# Altium PCB de10nano.PcbDoc (part 1 of 2)
Units mm, origin at the board's own origin, x right, y up, seen from the top; angles counter-clockwise.
Board outline 153.25 x 71.92 mm, 2 copper layers (Top Layer, Bottom Layer); 203 components, 228 nets, 661 pads, 124 vias.
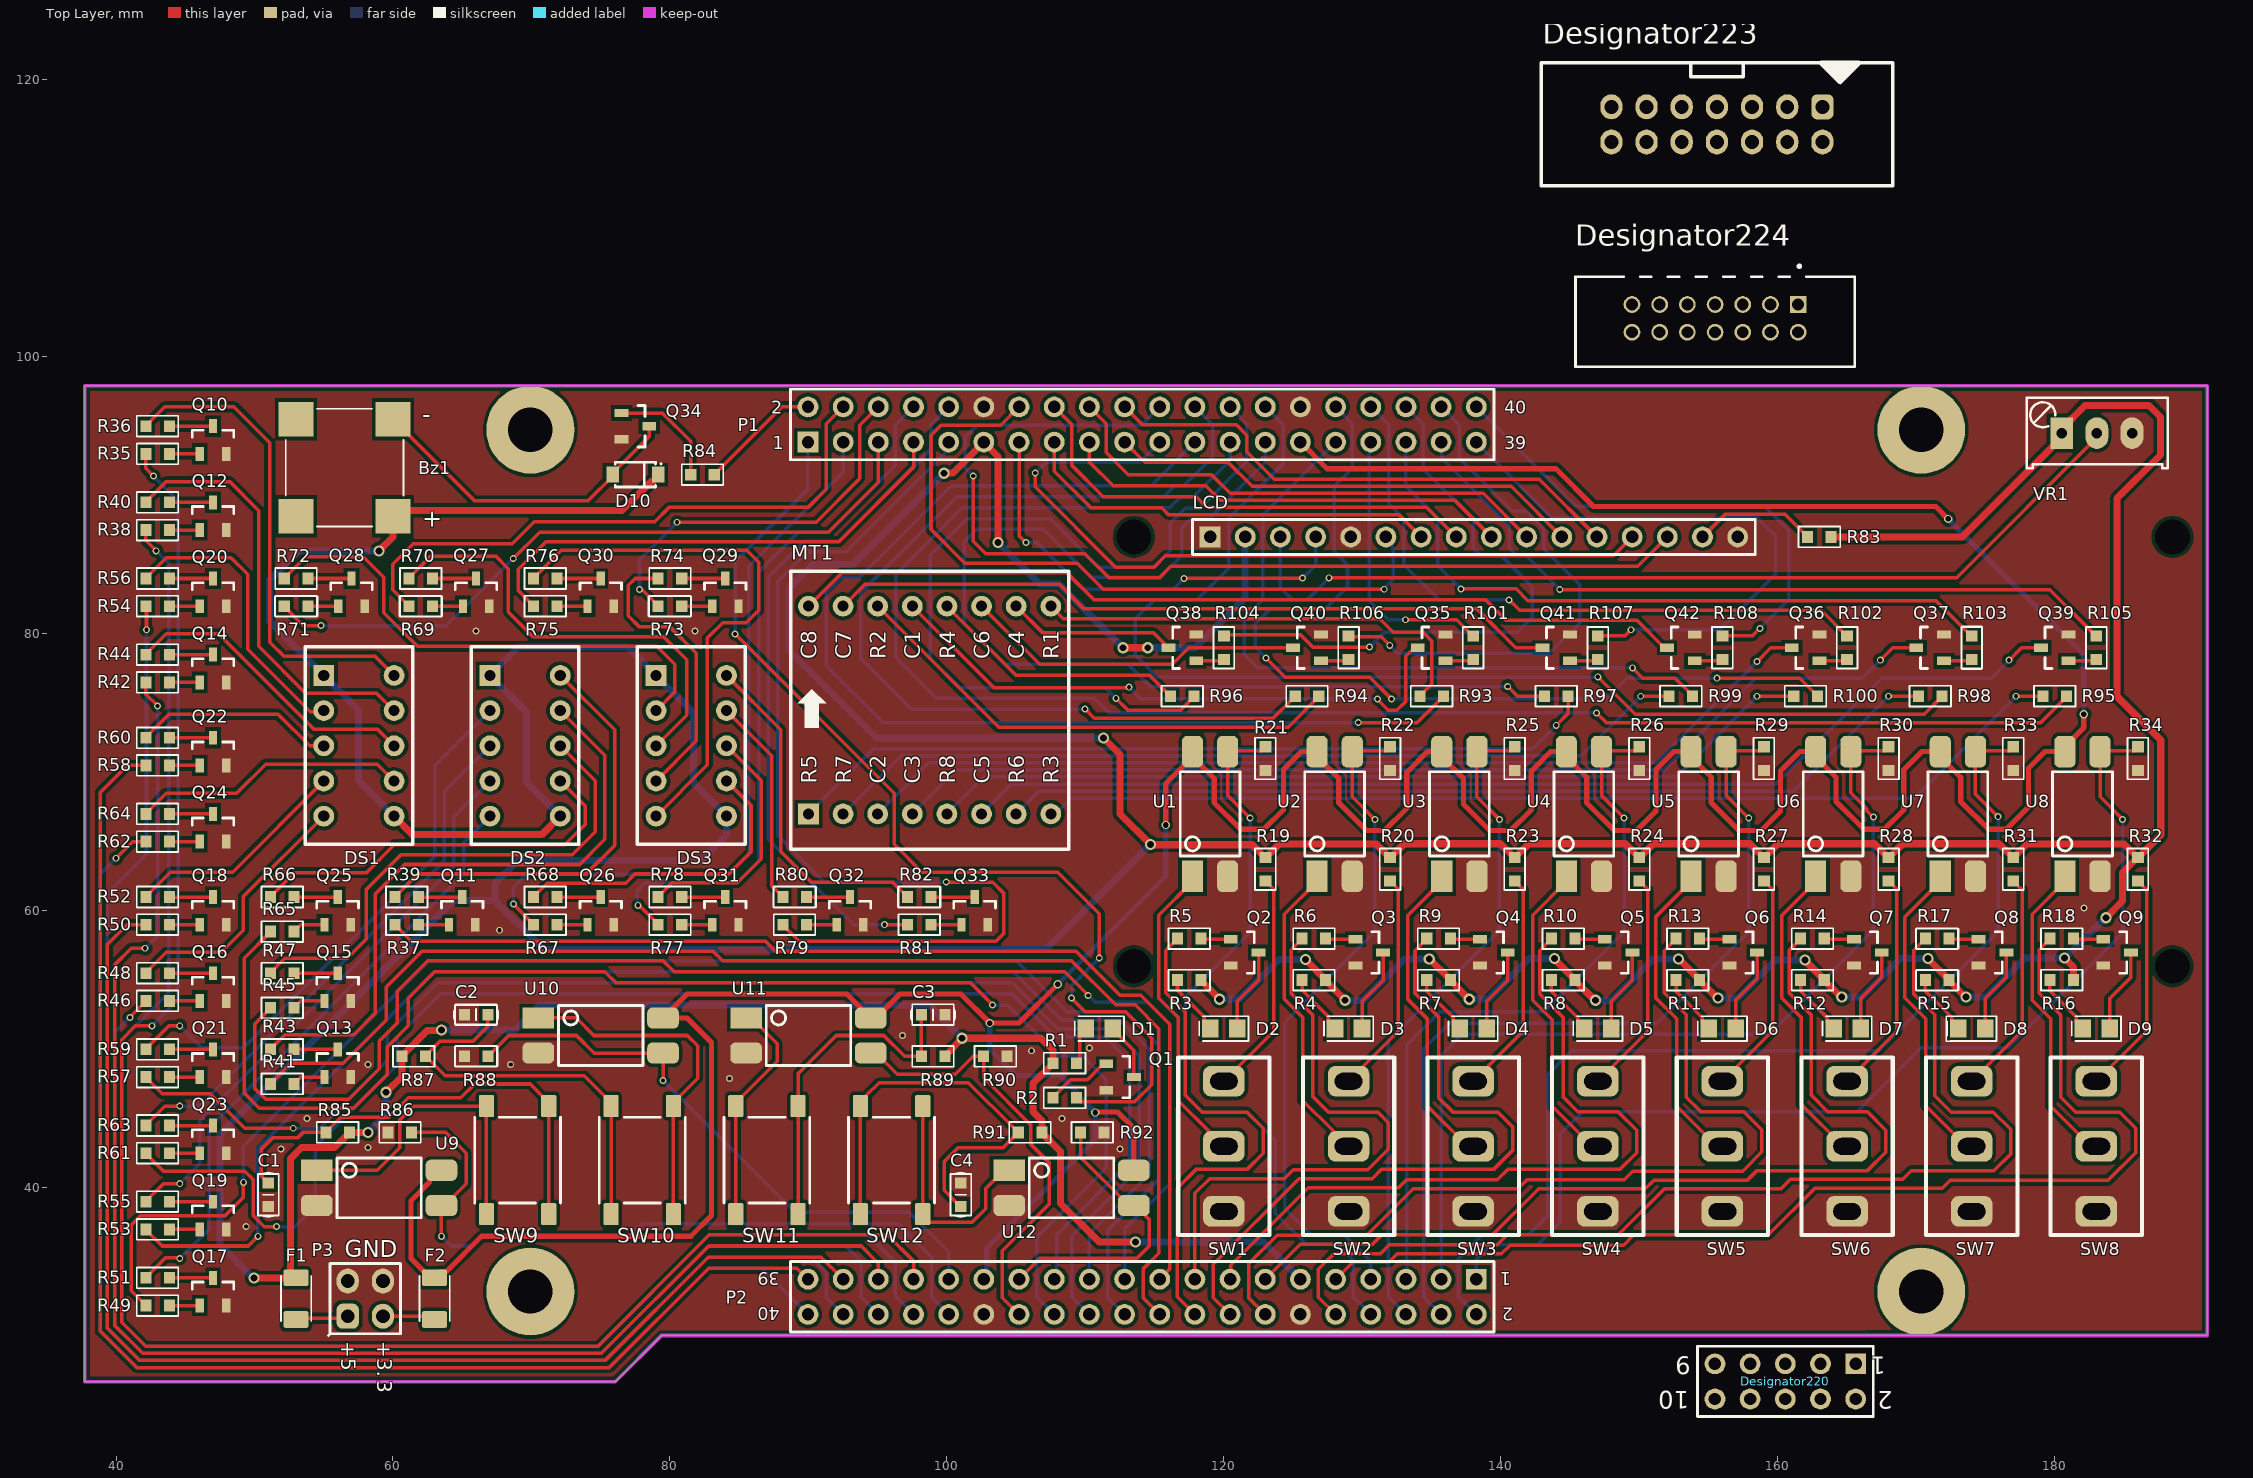
[diagram p0: Top Layer view]
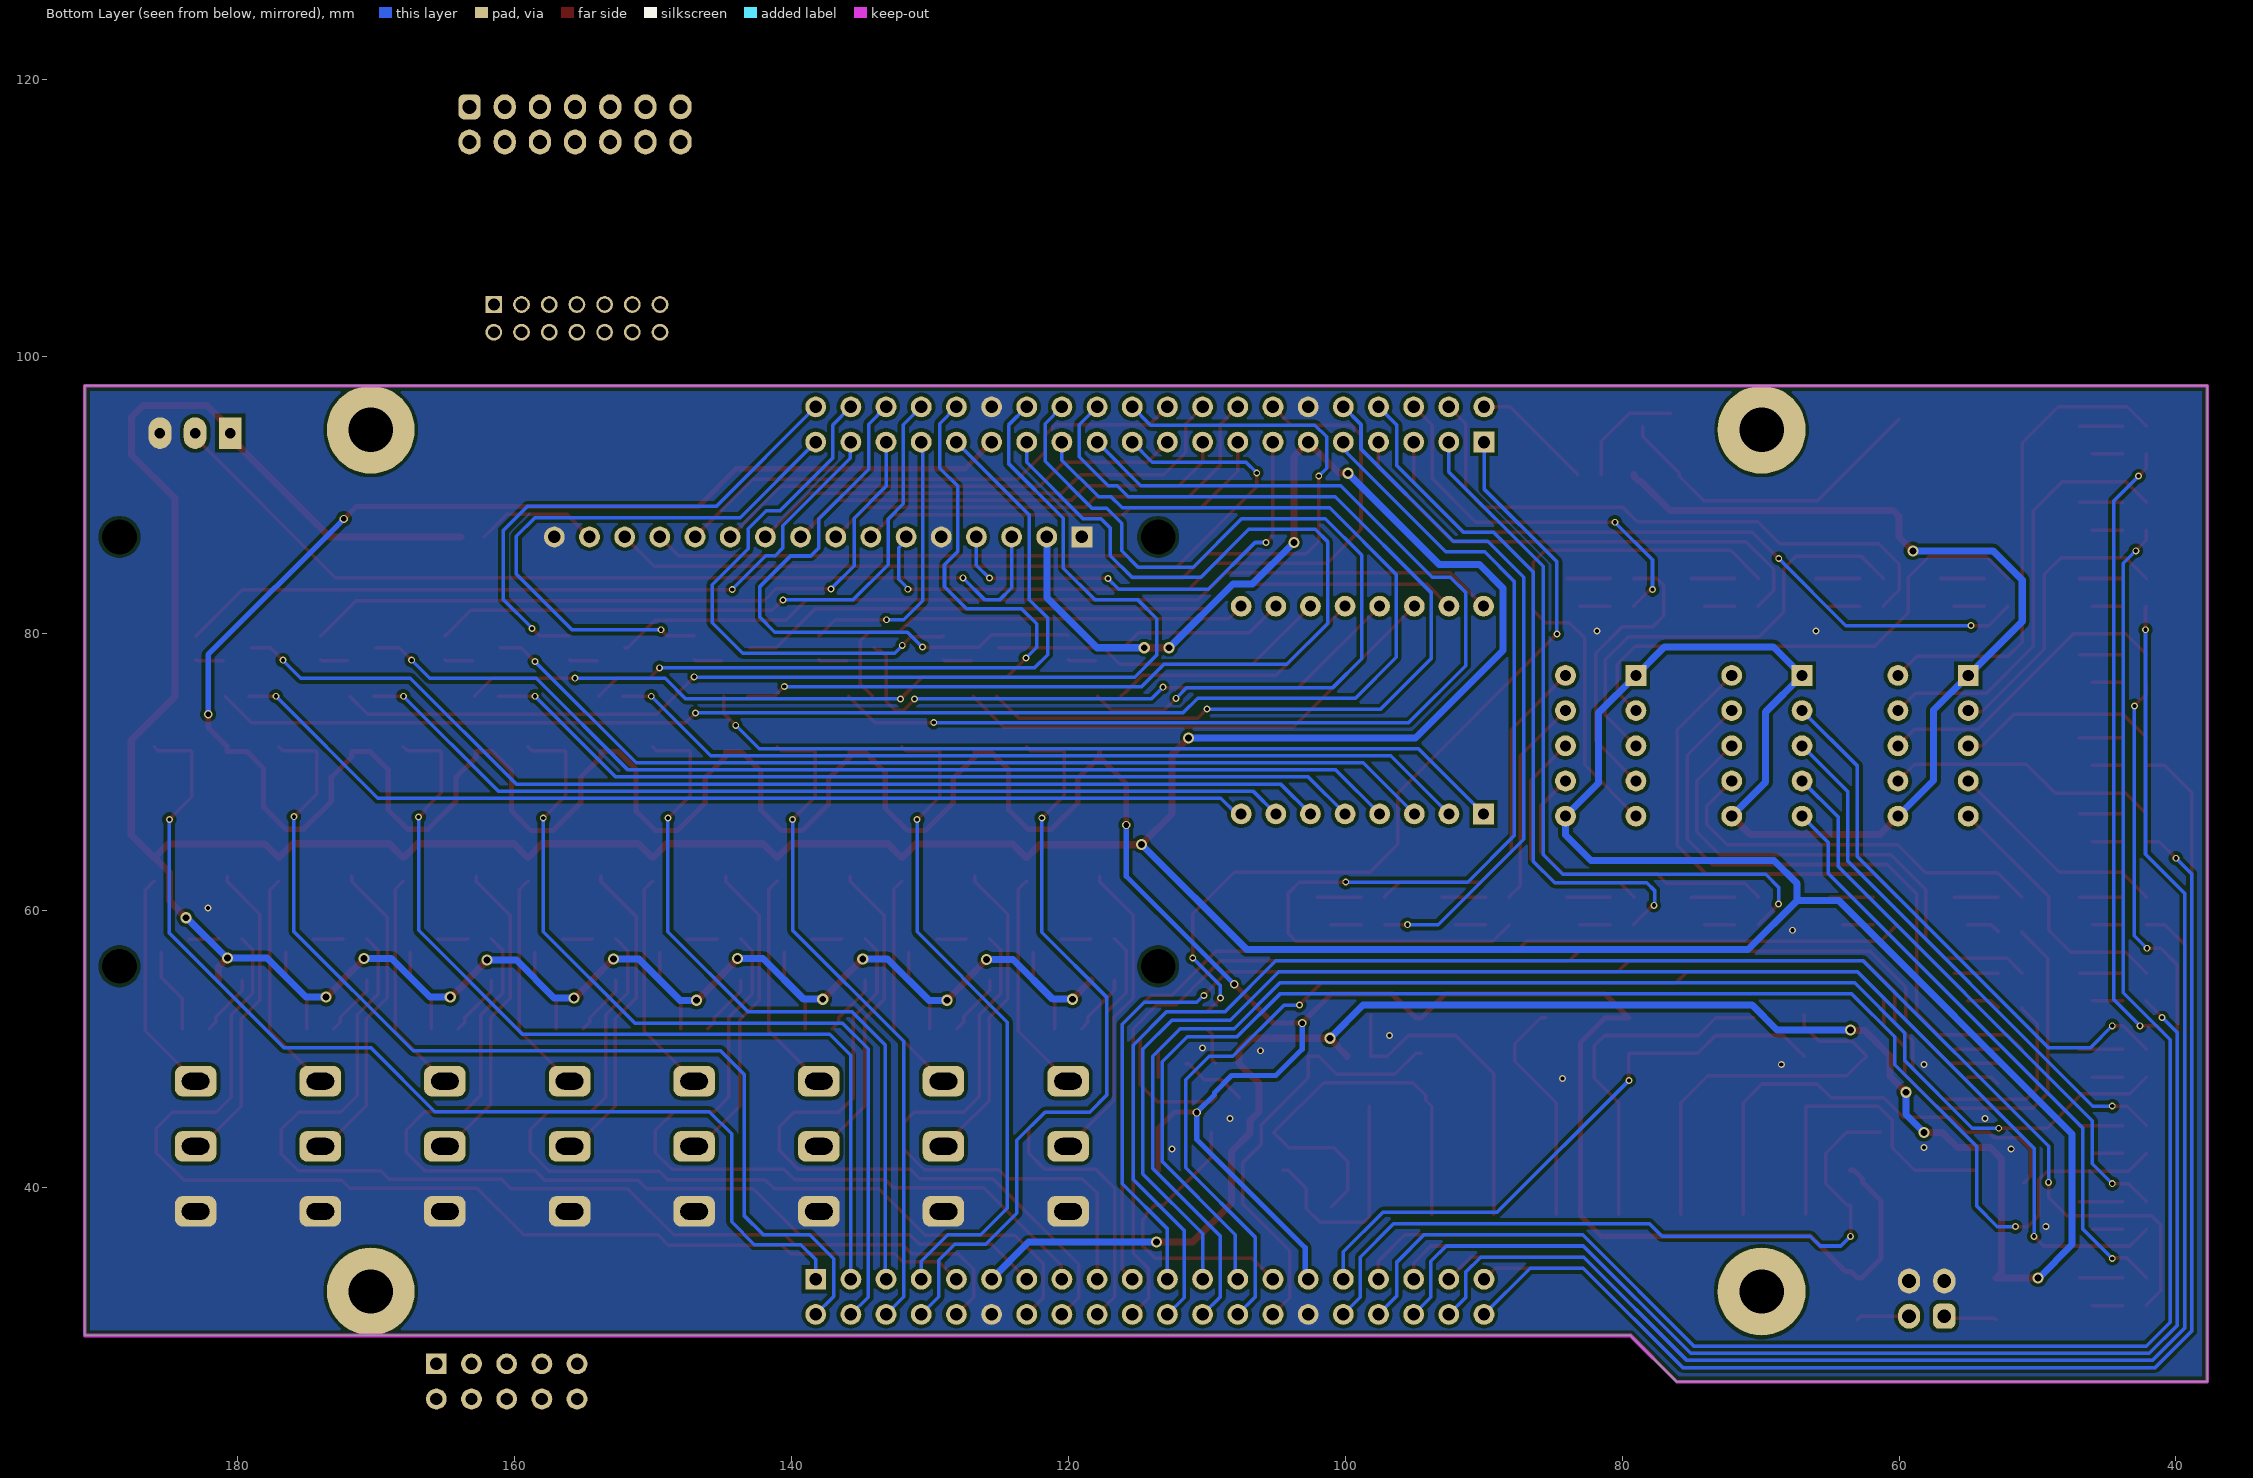
[diagram p1: Bottom Layer view, seen from below]

## Layer stack, top to bottom
Top Solder: solder mask 0.0102, Solder Resist, Dk 3.5
Top Layer: signal copper 0.0356
Dielectric 1: dielectric 0.32, FR-4, Dk 4.8
Bottom Layer: signal copper 0.0356
Bottom Solder: solder mask 0.0102, Solder Resist, Dk 3.5

## Board outline
37.75,26 37.75,97.917 191,97.917 191,29.337 79.387,29.337 76.05,26

## Design rules (kind name [scope] priority, off if disabled: settings)
Clearance [All] p1: gap=0.254 ignorepadtopadclearanceinfootprint=FALSE except(0: Arc-Hole Track-Hole SMDPad-Hole THPad-Hole Via-Hole Fill-Hole Poly-Hole Region-Hole Text-Hole; 0.15: SMDPad-Text THPad-Text; 0.33: Arc-THPad Track-THPad; 0.5: THPad-THPad)
DiffPairsRouting [All] p1: maxlimit=0.254 minlimit=0.254 mostfreqgap=0.254 toplayer_minwidth=0.127 toplayer_maxwidth=0.381 toplayer_prefwidth=0.381 bottomlayer_minwidth=0.127 bottomlayer_maxwidth=0.381 bottomlayer_prefwidth=0.381 maxuncoupledlength=12.7
HoleSize [All] p1: absolutevalues=TRUE maxlimit=6.3 minlimit=0.3 maxpercent=80.000 minpercent=20.000
HoleToHoleClearance [All] p1: gap=0.5 allowstackedmicrovias=TRUE
PasteMaskExpansion [All] p1: expansion=0.05
PlaneConnect [All] p1: planeconnectstyle=Direct reliefexpansion=0.508 reliefentries=4 reliefconductorwidth=0.254 reliefairgap=0.254
PolygonConnect [All] p1: connectstyle=Direct reliefconductorwidth=0.254 reliefentries=4 polygonreliefangle="90 Angle" airgapwidth=0.254
RoutingVias [All] p1: holewidth=0.711 width=1.27 viastyle="Through Hole" minholewidth=0.3 minwidth=0.5 maxholewidth=0.711 maxwidth=1.27
SilkToSolderMaskClearance [IsText] p1: minsilkscreentomaskgap=0.254 clearancetoexposedcopper=TRUE
SolderMaskExpansion [All] p1: expansion=0.05 istentingtop=FALSE
Width [All] p1: maxlimit=1.27 minlimit=0.127 preferedwidth=0.254
24 further rules are at their usual default settings.

## Classes and differential pairs
component class switch: R19 R20 R21 R22 R23 R24 R25 R26 R27 R28 R29 R30 R31 R32 R33 R34 SW1 SW2 SW3 SW4 SW5 SW6 SW7 SW8 U1 U2 U3 U4 U5 U6 U7 U8
component class matrix: MT1 Q35 Q36 Q37 Q38 Q39 Q40 Q41 Q42 R93 R94 R95 R96 R97 R98 R99 R100 R101 R102 R103 R104 R105 R106 R107 R108
component class led: D1 D2 D3 D4 D5 D6 D7 D8 D9 Q1 Q2 Q3 Q4 Q5 Q6 Q7 Q8 Q9 R1 R2 R3 R4 R5 R6 R7 R8 R9 R10 R11 R12 R13 R14 R15 R16 R17 R18
component class lcd: LCD R83 VR1
component class gpio: F1 F2 P1 P2 P3
component class buzzer: Bz1 D10 Q34 R84
component class button: C1 C2 C3 C4 R85 R86 R87 R88 R89 R90 R91 R92 SW9 SW10 SW11 SW12 U9 U10 U11 U12
component class 7seg: DS1 DS2 DS3 Q10 Q11 Q12 Q13 Q14 Q15 Q16 Q17 Q18 Q19 Q20 Q21 Q22 Q23 Q24 Q25 Q26 Q27 Q28 Q29 Q30 Q31 Q32 Q33 R35 R36 R37 R38 R39 R40 R41 R42 R43 R44 R45 R46 R47 R48 R49 R50 R51 R52 R53 R54 R55 R56 R57 R58 R59 R60 R61 R62 R63 R64 R65 R66 R67 R68 R69 R70 R71 R72 R73 R74 R75 R76 R77 R78 R79 R80 R81 R82

## Components (designator, comment, footprint, x,y, rotation, side; value= is the part's Value field where it differs from the comment)
Bz1 "Buzzer" CUI_CMT-8530S-SMT 56.5,92 r0 top
C1 "1uF" "C 0603" 51,39.5 r90 top
C2 "1uF" "C 0603" 66,52.5 r0 top
C3 "1uF" "C 0603" 99,52.5 r180 top
C4 "1uF" "C 0603" 101,39.5 r270 top
D1 "Led" "Led 0805 RED" 111,51.5 r0 top
D2 "Led" "Led 0805" 120,51.5 r0 top
D3 "Led" "Led 0805" 129,51.5 r0 top
D4 "Led" "Led 0805" 138,51.5 r0 top
D5 "Led" "Led 0805" 147,51.5 r0 top
D6 "Led" "Led 0805" 156,51.5 r0 top
D7 "Led" "Led 0805" 165,51.5 r0 top
D8 "Led" "Led 0805" 174,51.5 r0 top
D9 "Led" "Led 0805" 183,51.5 r0 top
D10 "Diode" SOD123 77.5,91.5 r0 top
Designator220 "Comment" HDR2X5 165.62,27.29 r180 top
Designator223 "Comment" HDR/Header/14/DL/BOX 163.22,118.059 r0 top
Designator224 "Comment" SAMTEC_STMM-107-02-L-D 155.468,102.784 r180 top
DS1 "LED7 SA" "Led7seg 0.36in" 55,77 r0 top
DS2 "LED7 SA" "Led7seg 0.36in" 67,77 r0 top
DS3 "LED7 SA" "Led7seg 0.36in" 79,77 r0 top
F1 "Fuse" "Fuse 1206" 53,33.5 r270 top
F2 "Fuse" "Fuse 1206" 63,33.5 r270 top
LCD "Header 16" HDR1X16 119,87 r0 top
MT1 "Matrix 8x8S" "Led Matrix 1.9mm" 90,67 r0 top
P1 "Header 20X2" "Header FM 2x20" 89.967,93.853 r0 top locked
P2 "Header 20X2" "Header FM 2x20" 138.227,33.401 r180 top
P3 "Header 2X2" HDR/Header/4/DL 58,32 r0 top
Q1 "NPN" SOT-23 112.5,48 r0 top
Q2 "NPN" SOT-23 121.5,57 r0 top
Q3 "NPN" SOT-23 130.5,57 r0 top
Q4 "NPN" SOT-23 139.5,57 r0 top
Q5 "NPN" SOT-23 148.5,57 r0 top
Q6 "NPN" SOT-23 157.5,57 r0 top
Q7 "NPN" SOT-23 166.5,57 r0 top
Q8 "NPN" SOT-23 175.5,57 r0 top
Q9 "NPN" SOT-23 184.5,57 r0 top
Q10 "NPN" SOT-23 47,94 r90 top
Q11 "NPN" SOT-23 65,60 r90 top
Q12 "NPN" SOT-23 47,88.5 r90 top
Q13 "NPN" SOT-23 56,49 r90 top
Q14 "NPN" SOT-23 47,77.5 r90 top
Q15 "NPN" SOT-23 56,54.5 r90 top
Q16 "NPN" SOT-23 47,54.5 r90 top
Q17 "NPN" SOT-23 47,32.5 r90 top
Q18 "NPN" SOT-23 47,60 r90 top
Q19 "NPN" SOT-23 47,38 r90 top
Q20 "NPN" SOT-23 47,83 r90 top
Q21 "NPN" SOT-23 47,49 r90 top
Q22 "NPN" SOT-23 47,71.5 r90 top
Q23 "NPN" SOT-23 47,43.5 r90 top
Q24 "NPN" SOT-23 47,66 r90 top
Q25 "NPN" SOT-23 56,60 r90 top
Q26 "NPN" SOT-23 75,60 r90 top
Q27 "NPN" SOT-23 66,83 r90 top
Q28 "NPN" SOT-23 57,83 r90 top
Q29 "NPN" SOT-23 84,83 r90 top
Q30 "NPN" SOT-23 75,83 r90 top
Q31 "NPN" SOT-23 84,60 r90 top
Q32 "NPN" SOT-23 93,60 r90 top
Q33 "NPN" SOT-23 102,60 r90 top
Q34 "NPN" SOT-23 77.5,95 r0 top
Q35 "NPN" SOT-23 135,79 r180 top
Q36 "NPN" SOT-23 162,79 r180 top
Q37 "NPN" SOT-23 171,79 r180 top
Q38 "NPN" SOT-23 117,79 r180 top
Q39 "NPN" SOT-23 180,79 r180 top
Q40 "NPN" SOT-23 126,79 r180 top
Q41 "NPN" SOT-23 144,79 r180 top
Q42 "NPN" SOT-23 153,79 r180 top
R1 "330" "R 0603" 108.5,49 r0 top
R2 "10k" "R 0603" 108.5,46.5 r180 top
R3 "330" "R 0603" 117.5,55 r180 top
R4 "330" "R 0603" 126.5,55 r180 top
R5 "10k" "R 0603" 117.5,58 r0 top
R6 "10k" "R 0603" 126.5,58 r0 top
R7 "330" "R 0603" 135.5,55 r180 top
R8 "330" "R 0603" 144.5,55 r180 top
R9 "10k" "R 0603" 135.5,58 r0 top
R10 "10k" "R 0603" 144.5,58 r0 top
R11 "330" "R 0603" 153.5,55 r180 top
R12 "330" "R 0603" 162.5,55 r180 top
R13 "10k" "R 0603" 153.5,58 r0 top
R14 "10k" "R 0603" 162.5,58 r0 top
R15 "330" "R 0603" 171.5,55 r180 top
R16 "330" "R 0603" 180.5,55 r180 top
R17 "10k" "R 0603" 171.5,58 r0 top
R18 "10k" "R 0603" 180.5,58 r0 top
R19 "1k" "R 0603" 123,63 r270 top
R20 "1k" "R 0603" 132,63 r270 top
R21 "10k" "R 0603" 123,71 r90 top
R22 "10k" "R 0603" 132,71 r90 top
R23 "1k" "R 0603" 141,63 r270 top
R24 "1k" "R 0603" 150,63 r270 top
R25 "10k" "R 0603" 141,71 r90 top
R26 "10k" "R 0603" 150,71 r90 top
R27 "1k" "R 0603" 159,63 r270 top
R28 "1k" "R 0603" 168,63 r270 top
R29 "10k" "R 0603" 159,71 r90 top
R30 "10k" "R 0603" 168,71 r90 top
R31 "1k" "R 0603" 177,63 r270 top
R32 "1k" "R 0603" 186,63 r270 top
R33 "10k" "R 0603" 177,71 r90 top
R34 "10k" "R 0603" 186,71 r90 top
R35 "10k" "R 0603" 43,93 r0 top
R36 "1k" "R 0603" 43,95 r180 top
R37 "10k" "R 0603" 61,59 r0 top
R38 "10k" "R 0603" 43,87.5 r0 top
R39 "1k" "R 0603" 61,61 r180 top
R40 "1k" "R 0603" 43,89.5 r180 top
R41 "10k" "R 0603" 52,47.5 r0 top
R42 "10k" "R 0603" 43,76.5 r0 top
R43 "1k" "R 0603" 52,50 r180 top
R44 "1k" "R 0603" 43,78.5 r180 top
R45 "10k" "R 0603" 52,53 r0 top
R46 "10k" "R 0603" 43,53.5 r0 top
R47 "1k" "R 0603" 52,55.5 r180 top
R48 "1k" "R 0603" 43,55.5 r180 top
R49 "10k" "R 0603" 43,31.5 r0 top
R50 "10k" "R 0603" 43,59 r0 top
R51 "1k" "R 0603" 43,33.5 r180 top
R52 "1k" "R 0603" 43,61 r180 top
R53 "10k" "R 0603" 43,37 r0 top
R54 "10k" "R 0603" 43,82 r0 top
R55 "1k" "R 0603" 43,39 r180 top
R56 "1k" "R 0603" 43,84 r180 top
R57 "10k" "R 0603" 43,48 r0 top
R58 "10k" "R 0603" 43,70.5 r0 top
R59 "1k" "R 0603" 43,50 r180 top
R60 "1k" "R 0603" 43,72.5 r180 top
R61 "10k" "R 0603" 43,42.5 r0 top
R62 "10k" "R 0603" 43,65 r0 top
R63 "1k" "R 0603" 43,44.5 r180 top
R64 "1k" "R 0603" 43,67 r180 top
R65 "10k" "R 0603" 52,58.5 r0 top
R66 "1k" "R 0603" 52,61 r180 top
R67 "10k" "R 0603" 71,59 r0 top
R68 "1k" "R 0603" 71,61 r180 top
R69 "10k" "R 0603" 62,82 r0 top
R70 "1k" "R 0603" 62,84 r180 top
R71 "10k" "R 0603" 53,82 r0 top
R72 "1k" "R 0603" 53,84 r180 top
R73 "10k" "R 0603" 80,82 r0 top
R74 "1k" "R 0603" 80,84 r180 top
R75 "10k" "R 0603" 71,82 r0 top
R76 "1k" "R 0603" 71,84 r180 top
R77 "10k" "R 0603" 80,59 r0 top
R78 "1k" "R 0603" 80,61 r180 top
R79 "10k" "R 0603" 89,59 r0 top
R80 "1k" "R 0603" 89,61 r180 top
R81 "10k" "R 0603" 98,59 r0 top
R82 "1k" "R 0603" 98,61 r180 top
R83 "1k" "R 0603" 163,87 r180 top
R84 "4.7k" "R 0603" 82.35,91.5 r180 top
R85 "1k" "R 0603" 56,44 r180 top
R86 "10k" "R 0603" 60.5,44 r0 top
R87 "1k" "R 0603" 61.5,49.5 r0 top
R88 "10k" "R 0603" 66,49.5 r0 top
R89 "1k" "R 0603" 99,49.5 r180 top
R90 "10k" "R 0603" 103.5,49.5 r180 top
R91 "1k" "R 0603" 106,44 r180 top
R92 "10k" "R 0603" 110.5,44 r180 top
R93 "1k" "R 0603" 135,75.5 r180 top
R94 "1k" "R 0603" 126,75.5 r0 top
R95 "1k" "R 0603" 180,75.5 r180 top
R96 "1k" "R 0603" 117,75.5 r180 top
R97 "1k" "R 0603" 144,75.5 r0 top
R98 "1k" "R 0603" 171,75.5 r180 top
R99 "1k" "R 0603" 153,75.5 r180 top
R100 "1k" "R 0603" 162,75.5 r180 top
R101 "10k" "R 0603" 138,79 r270 top
R102 "10k" "R 0603" 165,79 r270 top
R103 "10k" "R 0603" 174,79 r270 top
R104 "10k" "R 0603" 120,79 r270 top
R105 "10k" "R 0603" 183,79 r270 top
R106 "10k" "R 0603" 129,79 r270 top
R107 "10k" "R 0603" 147,79 r270 top
R108 "10k" "R 0603" 156,79 r270 top
SW1 "SW SPDT" SW/3/SPDT/SS12D10 120,43 r90 top
SW2 "SW SPDT" SW/3/SPDT/SS12D10 129,43 r90 top
SW3 "SW SPDT" SW/3/SPDT/SS12D10 138,43 r90 top
SW4 "SW SPDT" SW/3/SPDT/SS12D10 147,43 r90 top
SW5 "SW SPDT" SW/3/SPDT/SS12D10 156,43 r90 top
SW6 "SW SPDT" SW/3/SPDT/SS12D10 165,43 r90 top
SW7 "SW SPDT" SW/3/SPDT/SS12D10 174,43 r90 top
SW8 "SW SPDT" SW/3/SPDT/SS12D10 183,43 r90 top
SW9 "Button" SW/4/SMD/XS 69,42 r90 top
SW10 "Button" SW/4/SMD/XS 78,42 r270 top
SW11 "Button" SW/4/SMD/XS 87,42 r90 top
SW12 "Button" SW/4/SMD/XS 96,42 r270 top
U1 "PC817" "SOP4 - PC817" 119,67 r90 top
U2 "PC817" "SOP4 - PC817" 128,67 r90 top
U3 "PC817" "SOP4 - PC817" 137,67 r90 top
U4 "PC817" "SOP4 - PC817" 146,67 r90 top
U5 "PC817" "SOP4 - PC817" 155,67 r90 top
U6 "PC817" "SOP4 - PC817" 164,67 r90 top
U7 "PC817" "SOP4 - PC817" 173,67 r90 top
U8 "PC817" "SOP4 - PC817" 182,67 r90 top
U9 "PC817" "SOP4 - PC817" 59,40 r0 top
U10 "PC817" "SOP4 - PC817" 75,51 r0 top
U11 "PC817" "SOP4 - PC817" 90,51 r0 top
U12 "PC817" "SOP4 - PC817" 109,40 r0 top
VR1 "10K" VR1 180.5,94.5 r0 top value="VR 10K"
